# Allegro board 6089-119-RevB_08.brd (continued)
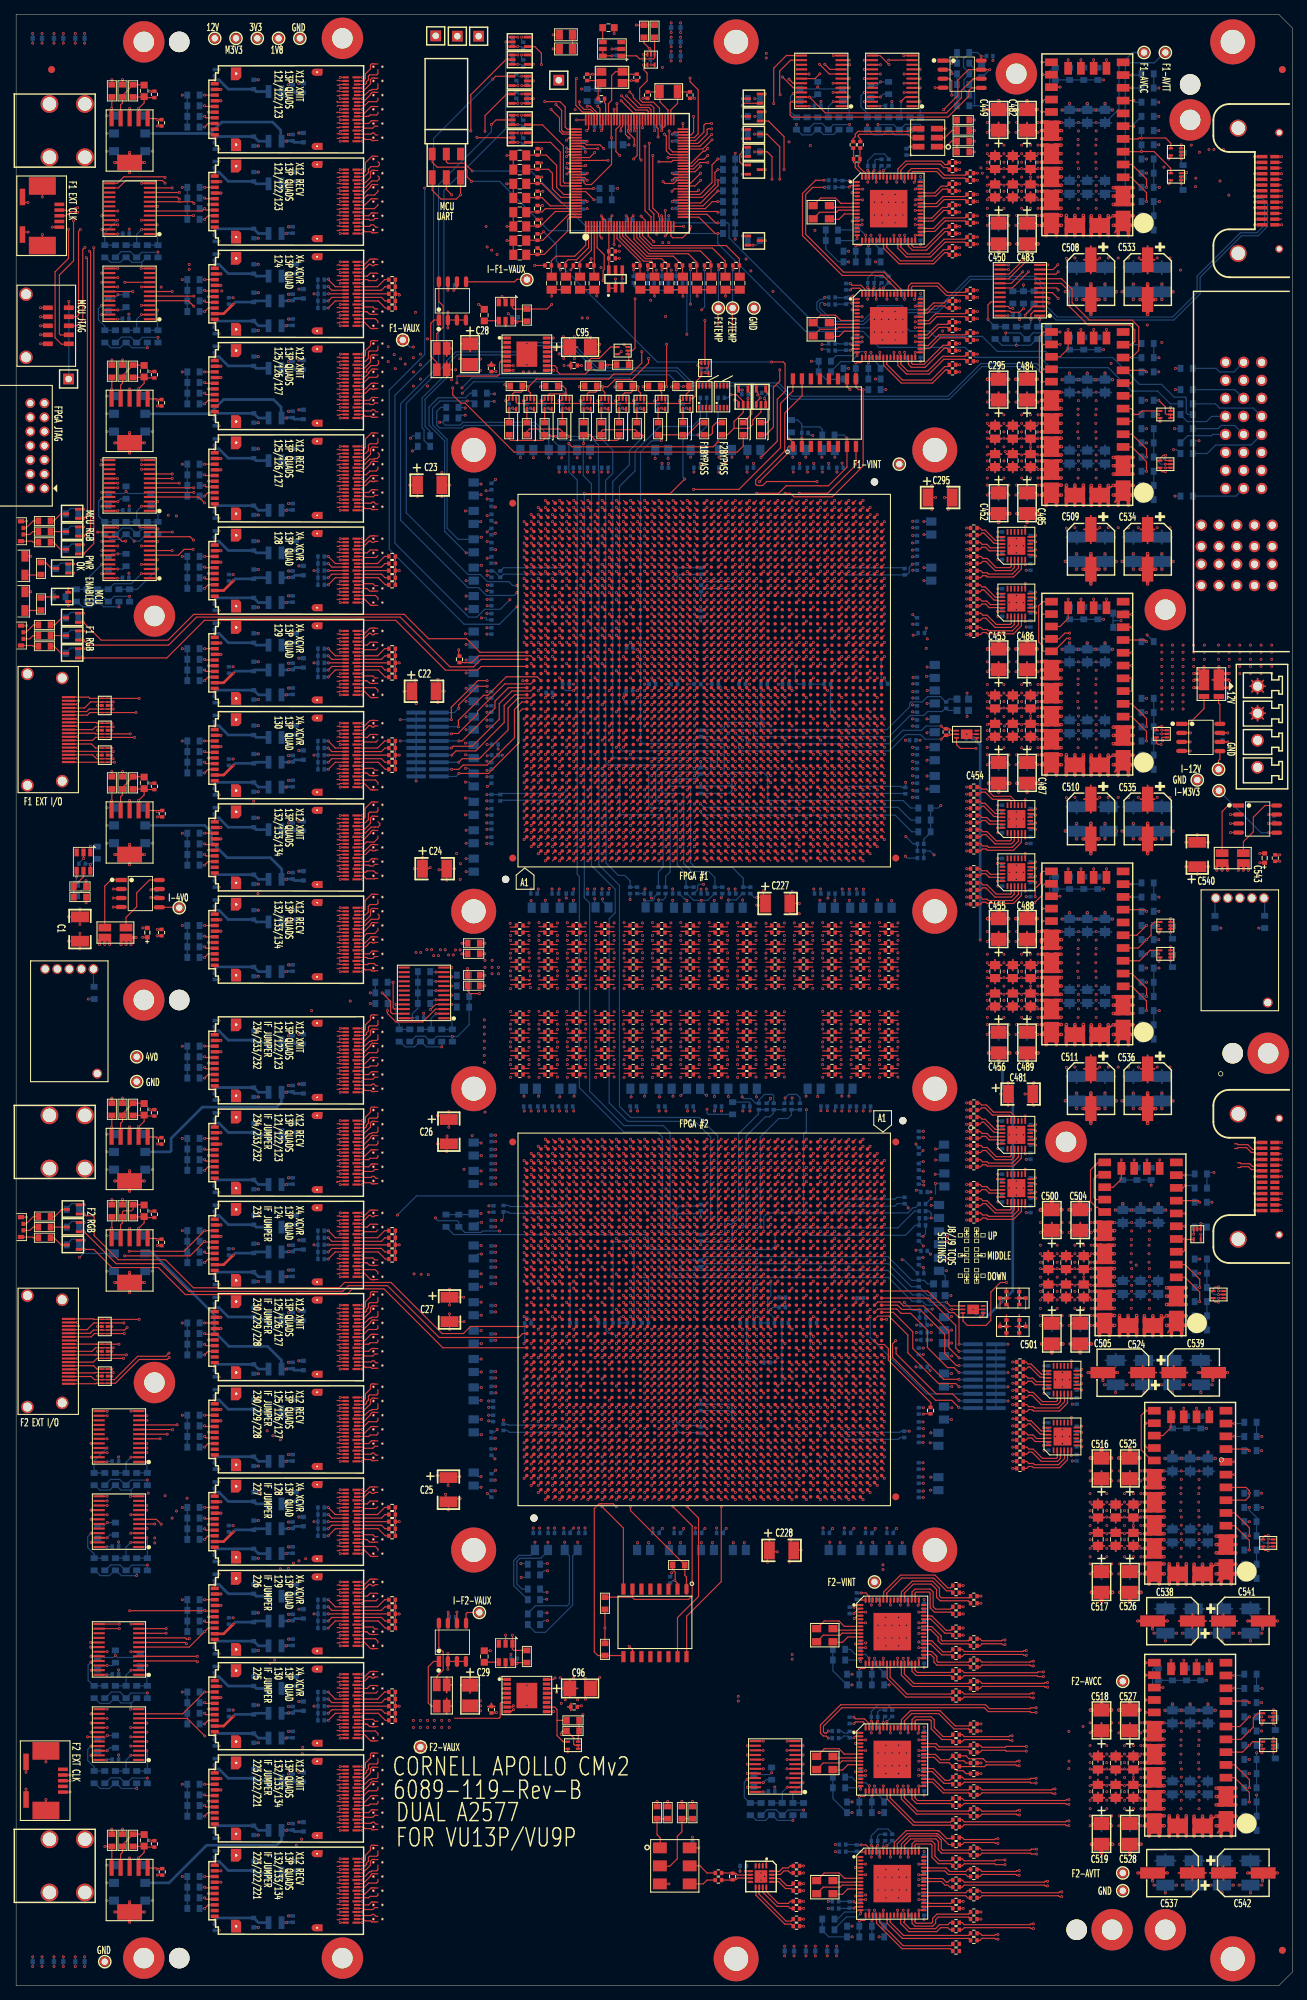
[diagram p0: board, top side]
## Routing (per net, layer and track width the routed paths; a pad name or vN(x,y) marks a point on that pad's centre or on a via; arc(x,y) is an arc through that point) (continued)
PF1_FF1_XMIT7: length 110
  TOP w0.165: U75.BG41 118.39,199.29 ; 51,266.02 51,265.67 50.8,265.48 49.68,265.48 49.1,264.9 U24.A9 48,264.9
  SIG2 w0.083: 51,266.02 51.64,266.02 arc(51.77,266.04) 51.88,266.12 52,266.24 52.05,266.24 arc(52.08,266.25) 52.11,266.26 52.11,266.27 arc(52.14,266.29) 52.17,266.3 53.99,266.3 arc(54.28,266.24) 54.54,266.07 90.37,230.24 arc(90.97,229.83) 91.69,229.69 101.19,229.69 arc(101.72,229.59) 102.17,229.29 116.57,214.88 116.58,214.88 116.78,214.68 116.78,214.68 116.84,214.62 119.46,212 arc(119.7,211.63) 119.79,211.19 119.79,201.14 arc(119.72,200.97) 119.55,200.9 118.2,200.9 arc(117.92,200.78) 117.8,200.5 117.8,200.11 arc(117.92,199.81) 118.23,199.69 118.31,199.69 arc(118.37,199.66) 118.39,199.6 118.39,199.29
PF1_FF1_XMIT8: length 110.6
  TOP w0.165: U75.BK43 121.39,201.29 ; U24.B6 45.65,266.4 45.56,266.31 45.25,266.31
  SIG1 w0.083: 45.25,266.31 45.45,266.51 arc(45.48,266.53) 45.51,266.54 48.37,266.54 arc(48.98,266.66) 49.5,267 49.57,267.07 arc(49.82,267.24) 50.12,267.3 54.29,267.3 arc(54.76,267.21) 55.17,266.93 91.1,231 arc(91.45,230.77) 91.86,230.69 100.29,230.69 arc(100.73,230.6) 101.1,230.36 116.57,214.88 116.58,214.88 116.78,214.68 116.78,214.68 116.84,214.62 120.38,211.07 arc(120.69,210.61) 120.8,210.06 120.8,202.11 arc(120.92,201.81) 121.23,201.69 121.31,201.69 arc(121.37,201.66) 121.39,201.6 121.39,201.29
PF1_FF1_XMIT9: length 111.8
  TOP w0.165: 48.05,266.4 U24.A6 49.15,266.4 49.82,267.07 50.04,267.07 50.17,267.2 50.83,267.2 51,267.37 51,268.02 ; U75.BL41 122.39,199.29
  SIG2 w0.083: 51,268.02 51.64,268.02 arc(51.77,268.04) 51.88,268.12 52,268.24 52.05,268.24 arc(52.08,268.25) 52.11,268.26 52.11,268.27 arc(52.14,268.29) 52.17,268.3 53.58,268.3 arc(53.79,268.25) 53.97,268.14 91,231.1 arc(91.46,230.8) 91.99,230.69 102.62,230.69 arc(103.3,230.55) 103.88,230.17 121.45,212.6 arc(121.71,212.21) 121.8,211.76 121.8,200.11 arc(121.92,199.81) 122.23,199.69 122.31,199.69 arc(122.37,199.66) 122.39,199.6 122.39,199.29
PF1_FF1_XMIT10: length 118.1
  TOP w0.165: U24.B3 45.65,267.9 45.56,267.81 45.25,267.81 ; U75.BK39 121.39,197.29
  SIG1 w0.083: 121.39,197.29 121.39,197.6 arc(121.37,197.66) 121.31,197.69 121.23,197.69 arc(120.92,197.81) 120.8,198.11 120.8,198.5 arc(120.92,198.78) 121.2,198.9 121.6,198.9 arc(121.73,198.96) 121.79,199.09 121.79,211.84 arc(121.72,212.18) 121.52,212.48 102.95,231.06 arc(102.24,231.53) 101.41,231.69 92.59,231.69 arc(91.96,231.81) 91.44,232.17 54.66,268.94 arc(54.39,269.13) 54.06,269.19 50.69,269.19 arc(50.18,269.09) 49.75,268.8 arc(48.9,268.23) 47.9,268.04 45.51,268.04 arc(45.48,268.03) 45.45,268.01 45.25,267.81
PF1_FF1_XMIT11: length 120
  TOP w0.165: 51,270.02 51,269.42 50.83,269.25 49.83,269.25 49.66,269.09 49.66,268.55 49.38,268.26 49.38,268.07 49.21,267.9 U24.A3 48,267.9 ; U75.BL37 122.39,195.29
  SIG2 w0.083: 122.39,195.29 122.39,195.6 arc(122.37,195.66) 122.31,195.69 122.23,195.69 arc(121.92,195.81) 121.8,196.11 121.8,196.5 arc(121.92,196.78) 122.2,196.9 122.71,196.9 arc(122.95,197) 123.05,197.24 123.05,212.57 arc(122.93,213.16) 122.6,213.65 104.9,231.36 arc(104.53,231.6) 104.09,231.69 92.45,231.69 arc(91.95,231.79) 91.53,232.07 53.47,270.14 arc(53.29,270.25) 53.08,270.3 52.17,270.3 arc(52.14,270.29) 52.11,270.27 52.11,270.26 arc(52.08,270.25) 52.05,270.24 52,270.24 51.88,270.12 arc(51.77,270.04) 51.64,270.02 51,270.02
PF1_FF2_RECV0: length 59.3
  TOP w0.165: U28.A18 48.95,208.4 49.2,208.15 50.01,208.15 50.14,208.02 50.16,208.02 50.19,207.99 50.54,207.99 50.57,208.02 51,208.02 ; U75.AF48 97.39,206.29
  SIG3 w0.083: 51,208.02 51.64,208.02 arc(51.77,208.04) 51.88,208.12 52,208.24 52.05,208.24 arc(52.08,208.25) 52.11,208.26 52.11,208.27 arc(52.14,208.29) 52.17,208.3 60.78,208.3 arc(61.63,208.46) 62.34,208.94 68.26,214.86 arc(69.18,215.47) 70.27,215.69 91.41,215.69 arc(92.06,215.56) 92.61,215.19 95.87,211.93 arc(96.56,210.9) 96.8,209.69 96.8,207.03 arc(96.9,206.79) 97.14,206.69 97.27,206.69 arc(97.35,206.65) 97.39,206.56 97.39,206.29
PF1_FF2_RECV1: length 64
  TOP w0.165: U75.AG50 98.39,208.29 ; U28.B18 45.65,208.4 45.56,208.31 45.25,208.31
  SIG4 w0.083: 45.25,208.31 45.45,208.51 arc(45.48,208.53) 45.51,208.54 48.35,208.54 arc(48.92,208.42) 49.4,208.1 49.54,207.97 arc(50.23,207.5) 51.05,207.34 57.88,207.34 arc(58.86,207.54) 59.69,208.09 68.66,217.06 arc(69.36,217.53) 70.18,217.69 89.15,217.69 arc(90.02,217.52) 90.75,217.03 97.34,210.43 arc(97.68,209.93) 97.8,209.33 97.8,209.03 arc(97.84,208.88) 97.93,208.76 arc(98.03,208.7) 98.14,208.69 98.27,208.69 arc(98.35,208.65) 98.39,208.56 98.39,208.29
PF1_FF2_RECV2: length 61
  TOP w0.165: 51,210.02 50.57,210.02 50.35,209.81 49.34,209.81 49.24,209.9 U28.A15 ; U75.AH48 99.39,206.29
  SIG3 w0.083: 99.39,206.29 99.39,206.56 arc(99.35,206.65) 99.27,206.69 99.14,206.69 arc(98.9,206.79) 98.8,207.03 98.8,209.4 arc(98.57,210.56) 97.91,211.54 93.49,215.96 arc(92.68,216.5) 91.73,216.69 69.62,216.69 arc(68.39,216.45) 67.35,215.75 62.91,211.31 arc(61.79,210.56) 60.46,210.3 54.35,210.3 54.26,210.21 53.93,210.21 53.85,210.3 52.17,210.3 arc(52.14,210.29) 52.11,210.27 52.11,210.26 arc(52.08,210.25) 52.05,210.24 52,210.24 51.88,210.12 arc(51.77,210.04) 51.64,210.02 51,210.02
PF1_FF2_RECV3: length 65.8
  TOP w0.165: 45.25,209.81 45.56,209.81 45.65,209.9 U28.B15 ; U75.AJ50 100.39,208.29
  SIG4 w0.083: 100.39,208.29 100.39,208.56 arc(100.35,208.65) 100.27,208.69 100.14,208.69 arc(99.9,208.79) 99.8,209.03 99.8,209.26 arc(99.73,209.62) 99.52,209.93 91.4,218.06 arc(90.69,218.53) 89.87,218.69 61.8,218.69 arc(61.19,218.57) 60.68,218.23 52.18,209.73 arc(51.69,209.41) 51.11,209.29 50.39,209.29 arc(49.72,209.42) 49.15,209.8 arc(48.89,209.97) 48.59,210.04 45.51,210.04 arc(45.48,210.03) 45.45,210.01 45.25,209.81
PF1_FF2_RECV4: length 64
  TOP w0.165: 51,212.02 50.57,212.02 50.48,211.93 50.25,211.93 50.16,212.02 49.87,212.02 49.25,211.4 U28.A12 48.05,211.4 ; U75.AK48 101.39,206.29
  SIG3 w0.083: 51,212.02 51.64,212.02 arc(51.77,212.04) 51.88,212.12 52,212.24 52.05,212.24 arc(52.08,212.25) 52.11,212.26 52.11,212.27 arc(52.14,212.29) 52.17,212.3 52.32,212.3 arc(53.04,212.44) 53.65,212.85 58.76,217.96 arc(59.57,218.5) 60.52,218.69 91.59,218.69 arc(92.72,218.47) 93.68,217.82 99.78,211.73 arc(100.53,210.59) 100.8,209.26 100.8,207.03 arc(100.9,206.79) 101.14,206.69 101.27,206.69 arc(101.35,206.65) 101.39,206.56 101.39,206.29
PF1_FF2_RECV5: length 67.6
  TOP w0.165: U28.B12 45.65,211.4 45.56,211.31 45.25,211.31 ; U75.AL50 102.39,208.29
  SIG4 w0.083: 102.39,208.29 102.39,208.56 arc(102.35,208.65) 102.27,208.69 102.14,208.69 arc(101.9,208.79) 101.8,209.03 101.8,209.12 arc(101.69,209.66) 101.39,210.11 92.58,218.92 arc(91.73,219.49) 90.72,219.69 61.1,219.69 arc(60.53,219.58) 60.05,219.26 52.63,211.84 arc(51.97,211.4) 51.19,211.24 49.61,211.24 arc(49.34,211.3) 49.1,211.45 arc(49.01,211.51) 48.9,211.54 45.51,211.54 arc(45.48,211.53) 45.45,211.51 45.25,211.31
PF1_FF2_RECV6: length 66.5
  TOP w0.165: U75.AM48 103.39,206.29 ; 51,214.02 51,213.68 50.76,213.44 49.88,213.44 49.35,212.9 U28.A9 48,212.9
  SIG3 w0.083: 51,214.02 51.64,214.02 arc(51.77,214.04) 51.88,214.12 52,214.24 52.05,214.24 arc(52.08,214.25) 52.11,214.26 52.11,214.27 arc(52.14,214.29) 52.17,214.3 52.35,214.3 arc(52.95,214.41) 53.45,214.75 57.53,218.83 arc(58.48,219.47) 59.61,219.69 92.73,219.69 arc(93.68,219.5) 94.49,218.96 102.41,211.05 arc(102.7,210.61) 102.8,210.1 102.8,207.03 arc(102.9,206.79) 103.14,206.69 103.27,206.69 arc(103.35,206.65) 103.39,206.56 103.39,206.29
PF1_FF2_RECV7: length 69.6
  TOP w0.165: U28.B9 45.65,212.9 45.56,212.81 45.25,212.81 ; U75.AN50 104.39,208.29
  SIG4 w0.083: 45.25,212.81 45.45,213.01 arc(45.48,213.03) 45.51,213.04 48.81,213.04 arc(49.15,213.1) 49.45,213.3 arc(49.49,213.33) 49.54,213.34 51.29,213.34 arc(51.98,213.48) 52.57,213.87 59.05,220.36 arc(59.42,220.6) 59.86,220.69 91.33,220.69 arc(92.65,220.43) 93.77,219.68 103.44,210.01 arc(103.71,209.61) 103.8,209.14 103.8,209.03 arc(103.9,208.79) 104.14,208.69 104.27,208.69 arc(104.35,208.65) 104.39,208.56 104.39,208.29
PF1_FF2_RECV8: length 69.1
  TOP w0.165: 51,216.02 51.19,215.83 51.19,215.47 50.91,215.19 50.56,215.19 50.47,215.1 49.87,215.1 49.17,214.4 U28.A6 48.05,214.4 ; U75.AP48 105.39,206.29
  SIG3 w0.083: 51,216.02 51.64,216.02 arc(51.77,216.04) 51.88,216.12 52,216.24 52.05,216.24 arc(52.08,216.25) 52.11,216.26 52.11,216.27 arc(52.14,216.29) 52.17,216.3 52.36,216.3 arc(52.9,216.4) 53.36,216.71 56.71,220.06 arc(57.41,220.53) 58.23,220.69 93.96,220.69 arc(94.7,220.54) 95.33,220.12 104.38,211.08 arc(104.69,210.61) 104.8,210.06 104.8,207.03 arc(104.9,206.79) 105.14,206.69 105.27,206.69 arc(105.35,206.65) 105.39,206.56 105.39,206.29
PF1_FF2_RECV9: length 71.7
  TOP w0.165: U28.B6 45.65,214.4 45.56,214.31 45.25,214.31 ; U75.AR50 106.39,208.29
  SIG4 w0.083: 45.25,214.31 45.45,214.51 arc(45.48,214.53) 45.51,214.54 48.37,214.54 arc(48.98,214.66) 49.5,215 arc(49.82,215.22) 50.19,215.29 51.12,215.29 arc(51.87,215.44) 52.52,215.87 57.9,221.26 arc(58.38,221.58) 58.95,221.69 92.52,221.69 arc(93.66,221.46) 94.64,220.81 105.47,209.98 arc(105.71,209.61) 105.8,209.19 105.8,209.03 arc(105.9,208.79) 106.14,208.69 106.27,208.69 arc(106.35,208.65) 106.39,208.56 106.39,208.29
PF1_FF2_RECV10: length 71.6
  TOP w0.165: 51,218.02 51,217.45 50.82,217.28 49.88,217.28 49.66,217.06 49.66,216.31 49.25,215.9 U28.A3 48,215.9 ; U75.AT48 107.39,206.29
  SIG3 w0.083: 107.39,206.29 107.39,206.56 arc(107.35,206.65) 107.27,206.69 107.14,206.69 arc(106.9,206.79) 106.8,207.03 106.8,210.01 arc(106.67,210.65) 106.31,211.19 96.38,221.12 arc(95.75,221.54) 95.01,221.69 56.9,221.69 arc(56.38,221.59) 55.94,221.29 53.33,218.68 53.33,218.68 arc(52.9,218.4) 52.4,218.3 52.17,218.3 arc(52.14,218.29) 52.11,218.27 52.11,218.26 arc(52.08,218.25) 52.05,218.24 52,218.24 51.88,218.12 arc(51.77,218.04) 51.64,218.02 51,218.02
PF1_FF2_RECV11: length 73.9
  TOP w0.165: U75.AU50 108.39,208.29 ; 45.25,215.81 45.56,215.81 45.65,215.9 U28.B3
  SIG4 w0.083: 108.39,208.29 108.39,208.56 arc(108.35,208.65) 108.27,208.69 108.14,208.69 arc(107.9,208.79) 107.8,209.03 107.8,209.18 arc(107.7,209.66) 107.43,210.07 95.17,222.33 arc(94.77,222.6) 94.31,222.69 58.28,222.69 arc(57.41,222.52) 56.68,222.03 52.5,217.85 arc(51.77,217.36) 50.91,217.19 50.69,217.19 arc(50.18,217.09) 49.75,216.8 arc(48.9,216.23) 47.9,216.04 45.51,216.04 arc(45.48,216.03) 45.45,216.01 45.25,215.81
PF1_FF2_XMIT0: length 67.5
  TOP w0.165: U27.B18 45.65,221.4 45.56,221.31 45.25,221.31 ; U75.AF43 97.39,201.29
  SIG1 w0.083: 45.25,221.31 45.45,221.51 arc(45.48,221.53) 45.51,221.54 48.35,221.54 arc(48.92,221.42) 49.4,221.1 49.54,220.97 arc(50.23,220.5) 51.05,220.34 53.36,220.34 arc(54.01,220.21) 54.55,219.85 55.16,219.24 arc(55.77,218.83) 56.49,218.69 88.5,218.69 arc(89.07,218.58) 89.54,218.26 96.34,211.46 arc(96.68,210.95) 96.8,210.35 96.8,202.03 arc(96.84,201.88) 96.93,201.76 arc(97.03,201.7) 97.14,201.69 97.27,201.69 arc(97.35,201.65) 97.39,201.56 97.39,201.29
PF1_FF2_XMIT1: length 62.1
  TOP w0.165: 51,221.02 50.57,221.02 50.54,220.99 50.19,220.99 50.16,221.02 50.14,221.02 50.01,221.15 49.2,221.15 48.95,221.4 U27.A18 ; U75.AG45 98.39,203.29
  SIG2 w0.083: 51,221.02 51.64,221.02 arc(51.77,221.04) 51.88,221.12 52,221.24 52.05,221.24 arc(52.08,221.25) 52.11,221.26 52.11,221.27 arc(52.14,221.29) 52.17,221.3 52.72,221.3 arc(53.08,221.22) 53.38,221.02 54.99,219.41 arc(55.79,218.88) 56.72,218.69 88.41,218.69 arc(89.06,218.56) 89.61,218.19 97.44,210.37 arc(97.71,209.96) 97.8,209.49 97.8,204.03 arc(97.9,203.79) 98.14,203.69 98.27,203.69 arc(98.35,203.65) 98.39,203.56 98.39,203.29
PF1_FF2_XMIT2: length 69.9
  TOP w0.165: U27.B15 45.65,222.9 45.56,222.81 45.25,222.81 ; U75.AH43 99.39,201.29
  SIG1 w0.083: 45.25,222.81 45.45,223.01 arc(45.48,223.03) 45.51,223.04 48.59,223.04 arc(48.89,222.97) 49.15,222.8 arc(49.72,222.42) 50.39,222.29 53.51,222.29 arc(54.06,222.18) 54.54,221.86 56.16,220.24 arc(56.77,219.83) 57.49,219.69 89.06,219.69 arc(89.71,219.56) 90.26,219.19 98.27,211.18 arc(98.66,210.6) 98.8,209.91 98.8,202.03 arc(98.84,201.88) 98.93,201.76 arc(99.03,201.7) 99.14,201.69 99.27,201.69 arc(99.35,201.65) 99.39,201.56 99.39,201.29
PF1_FF2_XMIT3: length 64.6
  TOP w0.165: 51,223.02 50.57,223.02 50.35,222.8 49.89,222.8 49.79,222.9 U27.A15 ; U75.AJ45 100.39,203.29
  SIG2 w0.083: 51,223.02 51.64,223.02 arc(51.77,223.04) 51.88,223.12 52,223.24 52.05,223.24 arc(52.08,223.25) 52.11,223.26 52.11,223.27 arc(52.14,223.29) 52.17,223.3 52.72,223.3 arc(53.08,223.22) 53.38,223.02 55.99,220.41 arc(56.79,219.88) 57.72,219.69 88.6,219.69 arc(89.67,219.48) 90.58,218.87 99.41,210.04 arc(99.68,209.64) 99.77,209.18 99.77,204.06 99.8,204.03 arc(99.84,203.88) 99.93,203.76 arc(100.03,203.7) 100.14,203.69 100.27,203.69 arc(100.35,203.65) 100.39,203.56 100.39,203.29
PF1_FF2_XMIT4: length 72.6
  TOP w0.165: 45.25,224.31 45.56,224.31 45.65,224.4 U27.B12 ; U75.AK43 101.39,201.29
  SIG1 w0.083: 45.25,224.31 45.45,224.51 arc(45.48,224.53) 45.51,224.54 48.9,224.54 arc(49.01,224.51) 49.1,224.45 arc(49.34,224.3) 49.61,224.24 53.46,224.24 arc(54.11,224.11) 54.65,223.75 57.23,221.17 arc(57.76,220.82) 58.39,220.69 89.87,220.69 arc(90.74,220.52) 91.48,220.03 100.31,211.19 arc(100.67,210.65) 100.8,210.01 100.8,202.03 arc(100.84,201.88) 100.93,201.76 arc(101.03,201.7) 101.14,201.69 101.27,201.69 arc(101.35,201.65) 101.39,201.56 101.39,201.29
PF1_FF2_XMIT5: length 67.7
  TOP w0.165: 51,225.02 50.57,225.02 50.48,224.93 50.25,224.93 50.16,225.02 49.87,225.02 49.25,224.4 U27.A12 48.05,224.4 ; U75.AL45 102.39,203.29
  SIG2 w0.083: 51,225.02 51.64,225.02 arc(51.77,225.04) 51.88,225.12 52,225.24 52.05,225.24 arc(52.08,225.25) 52.11,225.26 52.11,225.27 arc(52.14,225.29) 52.17,225.3 52.72,225.3 arc(53.08,225.22) 53.38,225.02 56.99,221.41 arc(57.79,220.88) 58.72,220.69 89.74,220.69 arc(90.73,220.49) 91.56,219.94 101.48,210.02 arc(101.72,209.67) 101.8,209.25 101.8,204.03 arc(101.9,203.79) 102.14,203.69 102.27,203.69 arc(102.35,203.65) 102.39,203.56 102.39,203.29
PF1_FF2_XMIT6: length 75.5
  TOP w0.165: U27.B9 45.65,225.9 45.56,225.81 45.25,225.81 ; U75.AM43 103.39,201.29
  SIG1 w0.083: 103.39,201.29 103.39,201.56 arc(103.35,201.65) 103.27,201.69 103.14,201.69 arc(103.03,201.7) 102.93,201.76 arc(102.84,201.88) 102.8,202.03 102.8,210.06 arc(102.69,210.61) 102.38,211.07 92.43,221.03 arc(91.69,221.52) 90.82,221.69 59.16,221.69 arc(58.74,221.77) 58.39,222.01 54.49,225.91 arc(54.01,226.23) 53.46,226.34 49.54,226.34 arc(49.49,226.33) 49.45,226.3 arc(49.15,226.1) 48.81,226.04 45.51,226.04 arc(45.48,226.03) 45.45,226.01 45.25,225.81
PF1_FF2_XMIT7: length 70.8
  TOP w0.165: 51,227.02 51,226.81 50.83,226.65 49.79,226.65 49.04,225.9 U27.A9 48,225.9 ; U75.AN45 104.39,203.29
  SIG2 w0.083: 51,227.02 51.64,227.02 arc(51.77,227.04) 51.88,227.12 52,227.24 52.05,227.24 arc(52.08,227.25) 52.11,227.26 52.11,227.27 arc(52.14,227.29) 52.17,227.3 52.72,227.3 arc(53.08,227.22) 53.38,227.02 57.93,222.47 arc(58.79,221.89) 59.82,221.69 90.83,221.69 arc(91.69,221.52) 92.42,221.03 103.51,209.94 arc(103.72,209.62) 103.8,209.24 103.8,204.03 arc(103.9,203.79) 104.14,203.69 104.27,203.69 arc(104.35,203.65) 104.39,203.56 104.39,203.29
PF1_FF2_XMIT8: length 78.4
  TOP w0.165: U27.B6 45.65,227.4 45.56,227.31 45.25,227.31 ; U75.AP43 105.39,201.29
  SIG1 w0.083: 45.25,227.31 45.45,227.51 arc(45.48,227.53) 45.51,227.54 48.37,227.54 arc(48.98,227.66) 49.5,228 arc(49.82,228.22) 50.19,228.29 53.27,228.29 arc(54.05,228.14) 54.7,227.7 59.32,223.08 arc(59.75,222.79) 60.26,222.69 92.15,222.69 arc(92.72,222.58) 93.19,222.26 104.45,211.01 arc(104.71,210.62) 104.8,210.15 104.8,202.03 arc(104.84,201.88) 104.93,201.76 arc(105.03,201.7) 105.14,201.69 105.27,201.69 arc(105.35,201.65) 105.39,201.56 105.39,201.29
PF1_FF2_XMIT9: length 74.2
  TOP w0.165: 48.05,227.4 U27.A6 49.41,227.4 49.41,227.66 50.03,228.28 50.84,228.28 51.1,228.55 51.1,228.92 51,229.02 ; U75.AR45 106.39,203.29
  SIG2 w0.083: 106.39,203.29 106.39,203.56 arc(106.35,203.65) 106.27,203.69 106.14,203.69 arc(105.9,203.79) 105.8,204.03 105.8,209.23 arc(105.72,209.62) 105.5,209.95 93.59,221.86 arc(92.67,222.48) 91.59,222.69 60.82,222.69 arc(59.79,222.89) 58.93,223.47 53.38,229.02 arc(53.08,229.22) 52.72,229.3 52.17,229.3 arc(52.14,229.29) 52.11,229.27 52.11,229.26 arc(52.08,229.25) 52.05,229.24 52,229.24 51.88,229.12 arc(51.77,229.04) 51.64,229.02 51,229.02
PF1_FF2_XMIT10: length 81.4
  TOP w0.165: U75.AT43 107.39,201.29 ; U27.B3 45.65,228.9 45.56,228.81 45.25,228.81
  SIG1 w0.083: 45.25,228.81 45.45,229.01 arc(45.48,229.03) 45.51,229.04 47.9,229.04 arc(48.9,229.23) 49.75,229.8 arc(50.18,230.09) 50.69,230.19 53.37,230.19 arc(54.15,230.04) 54.8,229.6 60.39,224.01 arc(60.74,223.77) 61.16,223.69 93.59,223.69 arc(93.8,223.65) 93.97,223.53 106.45,211.06 arc(106.71,210.67) 106.8,210.2 106.8,202.03 arc(106.84,201.88) 106.93,201.76 arc(107.03,201.7) 107.14,201.69 107.27,201.69 arc(107.35,201.65) 107.39,201.56 107.39,201.29
PF1_FF2_XMIT11: length 77.7
  TOP w0.165: U75.AU45 108.39,203.29 ; 51,231.02 51,230.52 50.83,230.35 49.83,230.35 49.66,230.18 49.66,229.31 49.25,228.9 U27.A3 48,228.9
  SIG2 w0.083: 108.39,203.29 108.39,203.56 arc(108.35,203.65) 108.27,203.69 108.14,203.69 arc(107.9,203.79) 107.8,204.03 107.8,209.24 arc(107.72,209.67) 107.47,210.03 93.97,223.53 arc(93.8,223.65) 93.59,223.69 61.82,223.69 arc(60.79,223.89) 59.93,224.47 53.38,231.02 arc(53.08,231.22) 52.72,231.3 52.17,231.3 arc(52.14,231.29) 52.11,231.27 52.11,231.26 arc(52.08,231.25) 52.05,231.24 52,231.24 51.88,231.12 arc(51.77,231.04) 51.64,231.02 51,231.02
PF1_FF3_RECV0: length 62.8
  TOP w0.165: 51,143.02 50.57,143.02 50.54,142.99 50.19,142.99 50.16,143.02 50.14,143.02 50.01,143.15 49.2,143.15 48.95,143.4 U33.A18 ; U75.C32 73.61,190.29
  SIG3 w0.083: 51,143.02 51.64,143.02 arc(51.77,143.04) 51.88,143.12 52,143.24 52.05,143.24 arc(52.08,143.25) 52.11,143.26 52.11,143.27 arc(52.14,143.29) 52.17,143.3 52.35,143.3 arc(52.85,143.4) 53.28,143.68 65.49,155.89 arc(65.87,156.46) 66,157.12 66,183.8 arc(66.15,184.54) 66.57,185.17 70.7,189.3 arc(71.14,189.6) 71.66,189.7 72.7,189.7 arc(73.05,189.85) 73.2,190.2 73.2,190.5 arc(73.24,190.6) 73.34,190.64 73.45,190.64 arc(73.56,190.59) 73.61,190.48 73.61,190.29
PF1_FF3_RECV1: length 68.8
  TOP w0.165: 45.25,143.31 45.56,143.31 45.65,143.4 U33.B18 ; U75.B34 72.61,192.29
  SIG4 w0.083: 45.25,143.31 45.45,143.51 arc(45.48,143.53) 45.51,143.54 48.35,143.54 arc(48.92,143.42) 49.4,143.1 49.54,142.97 arc(50.23,142.5) 51.05,142.34 51.18,142.34 arc(51.88,142.48) 52.48,142.88 65.43,155.83 arc(65.85,156.46) 66,157.21 66,186.9 arc(66.13,187.55) 66.49,188.1 71.08,192.69 72.53,192.69 72.61,192.6 72.61,192.29
PF1_FF3_RECV2: length 59.6
  TOP w0.165: U33.A15 49.42,144.9 49.56,144.75 50.3,144.75 50.57,145.02 51,145.02 ; U75.A32 71.61,190.29
  SIG3 w0.083: 51,145.02 51.64,145.02 arc(51.77,145.04) 51.88,145.12 52,145.24 52.05,145.24 arc(52.08,145.25) 52.11,145.26 52.11,145.27 arc(52.14,145.29) 52.17,145.3 52.32,145.3 arc(53.13,145.46) 53.81,145.91 64.49,156.59 arc(64.87,157.16) 65,157.82 65,184.07 arc(65.19,185.03) 65.73,185.83 70.21,190.31 arc(70.62,190.59) 71.11,190.69 71.43,190.69 arc(71.56,190.63) 71.61,190.51 71.61,190.29
PF1_FF3_RECV3: length 77.7
  TOP w0.165: U33.B15 45.65,144.9 45.56,144.81 45.25,144.81 ; U75.A46 71.61,204.29
  SIG4 w0.083: 45.25,144.81 45.45,145.01 arc(45.48,145.03) 45.51,145.04 48.59,145.04 arc(48.89,144.97) 49.15,144.8 arc(49.72,144.42) 50.39,144.29 51.21,144.29 arc(52.12,144.47) 52.88,144.98 64.36,156.46 arc(64.83,157.17) 65,158 65,197.63 arc(65.18,198.53) 65.69,199.29 70.83,204.43 arc(71.09,204.6) 71.39,204.67 arc(71.55,204.6) 71.61,204.45 71.61,204.29
PF1_FF3_RECV4: length 73.5
  TOP w0.165: U75.C46 73.61,204.29 ; 51,147.02 50.57,147.02 50.48,146.93 50.25,146.93 50.16,147.02 49.87,147.02 49.25,146.4 U33.A12 48.05,146.4
  SIG3 w0.083: 51,147.02 51.64,147.02 arc(51.77,147.04) 51.88,147.12 52,147.24 52.05,147.24 arc(52.08,147.25) 52.11,147.26 52.11,147.27 arc(52.14,147.29) 52.17,147.3 52.32,147.3 arc(53.04,147.44) 53.65,147.85 53.65,147.85 63.49,157.69 arc(63.87,158.26) 64,158.93 64,196.85 arc(64.14,197.55) 64.53,198.14 69.17,202.78 69.31,202.78 69.54,203.01 69.54,203.14 70.81,204.42 arc(71.11,204.62) 71.47,204.69 73.35,204.69 arc(73.53,204.61) 73.61,204.43 73.61,204.29
PF1_FF3_RECV5: length 81.7
  TOP w0.165: U75.E46 75.61,204.29 ; 45.25,146.31 45.56,146.31 45.65,146.4 U33.B12
  SIG4 w0.083: 75.61,204.29 75.61,204.48 arc(75.54,204.63) 75.39,204.69 74.47,204.69 arc(74.14,204.83) 74,205.16 74,205.47 arc(73.95,205.61) 73.81,205.66 70.97,205.66 arc(70.46,205.56) 70.03,205.28 64.49,199.74 arc(64.13,199.2) 64,198.56 64,158.89 arc(63.87,158.25) 63.51,157.71 52.74,146.94 arc(51.97,146.42) 51.06,146.24 49.61,146.24 arc(49.34,146.3) 49.1,146.45 arc(49.01,146.51) 48.9,146.54 45.51,146.54 arc(45.48,146.53) 45.45,146.51 45.25,146.31
PF1_FF3_RECV6: length 74.5
  TOP w0.165: U75.D48 74.61,206.29 ; 48,147.9 U33.A9 49.07,147.9 49.45,148.28 50.55,148.28 51,148.72 51,149.02
  SIG3 w0.083: 74.61,206.29 74.61,206.38 arc(74.52,206.6) 74.3,206.69 71.86,206.69 arc(71.47,206.61) 71.13,206.39 63.48,198.73 arc(63.12,198.2) 63,197.58 63,159.98 arc(62.87,159.31) 62.49,158.74 53.59,149.84 arc(52.99,149.44) 52.27,149.3 52.17,149.3 arc(52.14,149.29) 52.11,149.27 52.11,149.26 arc(52.08,149.25) 52.05,149.24 52,149.24 51.88,149.12 arc(51.77,149.04) 51.64,149.02 51,149.02
PF1_FF3_RECV7: length 80.8
  TOP w0.165: U75.E50 75.61,208.29 ; U33.B9 45.65,147.9 45.56,147.81 45.25,147.81
  SIG4 w0.083: 75.61,208.29 75.61,208.49 arc(75.54,208.65) 75.38,208.72 73.02,208.72 arc(72.46,208.6) 71.98,208.29 63.52,199.82 arc(63.13,199.25) 63,198.57 63,160.38 arc(62.79,159.34) 62.2,158.45 52.64,148.89 arc(52.03,148.48) 51.31,148.34 49.54,148.34 arc(49.49,148.33) 49.45,148.3 arc(49.15,148.1) 48.81,148.04 45.51,148.04 arc(45.48,148.03) 45.45,148.01 45.25,147.81
PF1_FF3_RECV8: length 76.6
  TOP w0.165: 48.05,149.4 U33.A6 49.17,149.4 50.05,150.28 51,150.28 51.17,150.45 51.17,150.85 51,151.02 ; U75.F48 76.61,206.29
  SIG3 w0.083: 51,151.02 51.64,151.02 arc(51.77,151.04) 51.88,151.12 52,151.24 52.05,151.24 arc(52.08,151.25) 52.11,151.26 52.11,151.27 arc(52.14,151.29) 52.17,151.3 52.27,151.3 arc(52.99,151.44) 53.59,151.84 61.32,159.57 arc(61.82,160.32) 62,161.21 62,197.19 arc(62.21,198.23) 62.79,199.11 70.9,207.21 arc(71.14,207.41) 71.41,207.56 arc(71.58,207.62) 71.75,207.64 74.73,207.64 arc(74.94,207.55) 75.03,207.35 75.03,207.18 arc(75.17,206.83) 75.52,206.69 76.29,206.69 76.3,206.69 arc(76.52,206.6) 76.61,206.38 76.61,206.29
PF1_FF3_RECV9: length 82.8
  TOP w0.165: 45.25,149.31 45.56,149.31 45.65,149.4 U33.B6 ; U75.G50 77.61,208.29
  SIG4 w0.083: 77.61,208.29 77.61,208.35 arc(77.5,208.61) 77.25,208.71 76.42,208.71 arc(76.11,208.84) 75.99,209.15 75.99,209.44 arc(75.9,209.66) 75.69,209.75 72.49,209.75 arc(72.12,209.67) 71.81,209.46 62.53,200.19 arc(62.14,199.6) 62,198.9 62,161.15 arc(61.83,160.32) 61.36,159.61 52.71,150.96 arc(51.97,150.46) 51.1,150.29 50.19,150.29 arc(49.82,150.22) 49.5,150 arc(48.98,149.66) 48.37,149.54 45.51,149.54 arc(45.48,149.53) 45.45,149.51 45.25,149.31
PF1_FF3_RECV10: length 79.5
  TOP w0.165: U75.H48 78.61,206.29 ; 51,153.02 51,152.52 50.83,152.35 49.9,152.35 49.64,152.09 49.64,151.29 49.25,150.9 U33.A3 48,150.9
  SIG3 w0.083: 51,153.02 51.64,153.02 arc(51.77,153.04) 51.88,153.12 52,153.24 52.05,153.24 arc(52.08,153.25) 52.11,153.26 52.11,153.27 arc(52.14,153.29) 52.17,153.3 52.35,153.3 arc(52.85,153.4) 53.28,153.68 60.32,160.72 arc(60.82,161.47) 61,162.36 61,197.95 arc(61.13,198.6) 61.49,199.14 61.49,199.14 70.73,208.38 arc(71.08,208.62) 71.5,208.7 76.75,208.7 arc(76.93,208.63) 77,208.45 77,207.1 arc(77.12,206.82) 77.4,206.7 78.46,206.7 arc(78.57,206.66) 78.61,206.55 78.61,206.29
PF1_FF3_RECV11: length 84.9
  TOP w0.165: U33.B3 45.65,150.9 45.56,150.81 45.25,150.81 ; U75.J50 79.61,208.29
  SIG4 w0.083: 79.61,208.29 79.61,208.45 arc(79.55,208.58) 79.42,208.64 arc(79.12,208.76) 79,209.06 79,209.93 arc(78.93,210.26) 78.75,210.53 arc(78.56,210.66) 78.35,210.7 72.16,210.7 arc(71.74,210.62) 71.39,210.38 67.3,206.29 67.3,206.29 67.26,206.25 67.26,206.25 61.48,200.47 arc(61.12,199.94) 61,199.32 61,162.62 arc(60.78,161.49) 60.14,160.54 52.38,152.78 arc(51.73,152.34) 50.96,152.19 50.69,152.19 arc(50.18,152.09) 49.75,151.8 arc(48.9,151.23) 47.9,151.04 45.51,151.04 arc(45.48,151.03) 45.45,151.01 45.25,150.81
PF1_FF3_XMIT0: length 59.8
  TOP w0.165: U32.B18 45.65,156.4 45.56,156.31 45.25,156.31 ; U75.C37 73.61,195.29
  SIG1 w0.083: 73.61,195.29 73.61,195.6 arc(73.58,195.66) 73.53,195.69 71.51,195.69 arc(71.21,195.63) 70.95,195.46 70.95,195.45 67.54,192.05 arc(67.3,191.68) 67.21,191.24 67.21,190.96 arc(67.13,190.54) 66.89,190.19 64.68,187.98 arc(64.25,187.34) 64.1,186.58 64.1,168.09 arc(63.94,167.27) 63.47,166.57 52.82,155.92 arc(52.18,155.49) 51.42,155.34 51.05,155.34 arc(50.23,155.5) 49.54,155.97 49.4,156.1 arc(48.92,156.42) 48.35,156.54 45.51,156.54 arc(45.48,156.53) 45.45,156.51 45.25,156.31
